# Altium PCB GameBoard_V1I1_Phase1.PcbDoc (part 17 of 18) (continued)
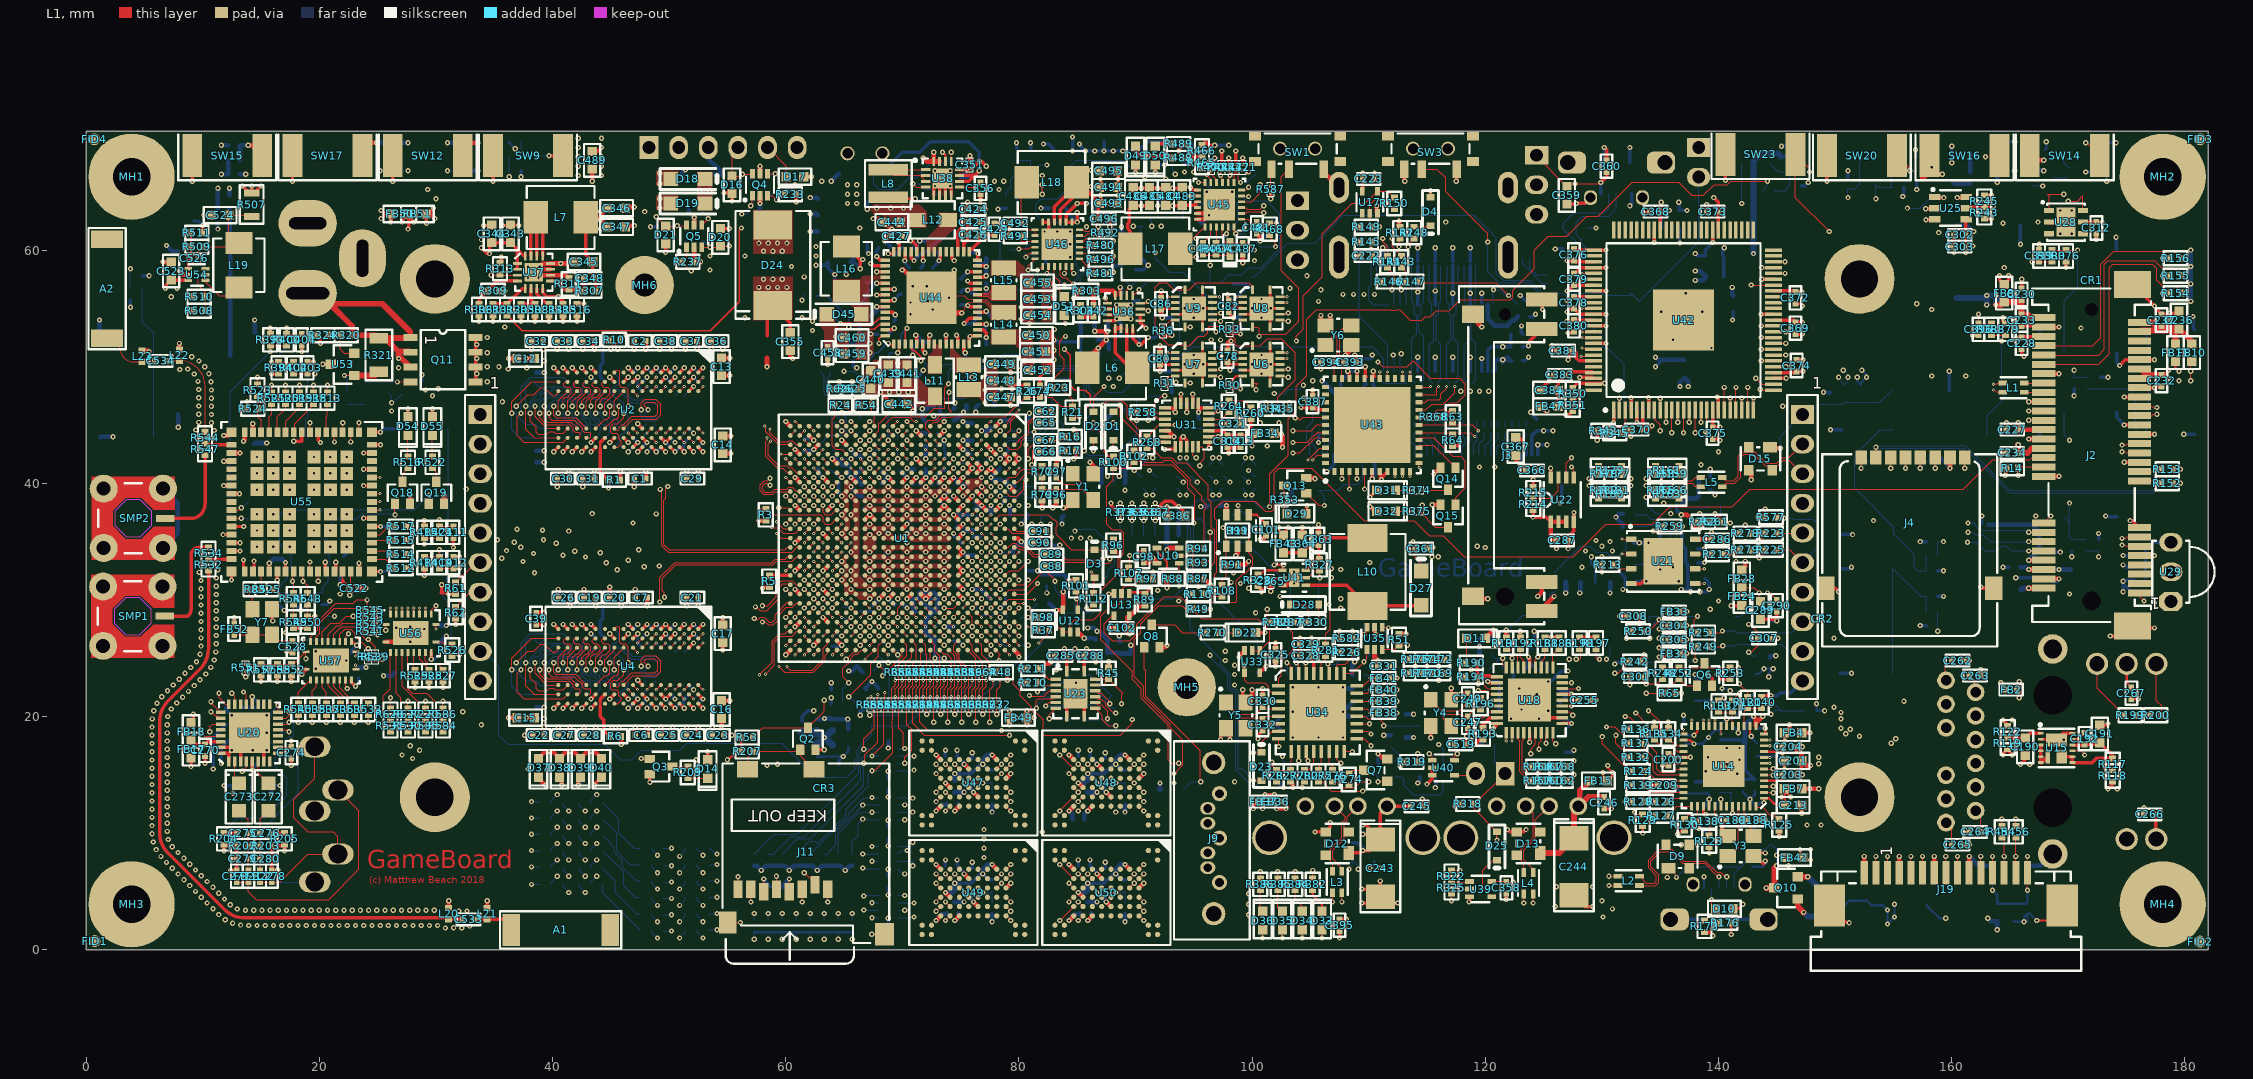
[diagram p0: L1 view]
## Nets (pads, with @x,y where several pads share a name; then routed paths per layer and width w, separated by ;. In a path a pad name is that pad's centre, name@x,y a point inside that pad or via, vN(x,y) a via of type N, cw(c..) or ccw(c..) an arc to the next point about the centre after c; other vN are vias at no path point) (continued)
UART5_RXD: R220.1 U1.U6 | length 81.5
  L1 w0.093: v3(66.4,41.3) U1.U6@66.8,40.9
  L1 w0.1: R220.1@29.1,20.7 v1(29.1,21.3)
  L3 w0.1: v1(29.1,21.3) 30,22.2 30,25.883 30.325,26.208 30.325,28.105 29.625,28.805 29.625,29.655 29.8,29.83 29.8,30.253 29.575,30.478 29.575,35.355 28.6,36.33 28.6,38.73 29.2,39.33 29.2,40.639 28.204,41.636 28.204,49.304 29.9,51 32.383,51 33.083,50.3 33.887,50.3 34.212,50.625 34.638,50.625 35.187,51.174 35.355,51.174 35.849,51.668 36.034,51.668 37.166,52.8 37.649,52.8 37.974,53.125 38.821,53.125 39.096,53.4 39.104,53.4 39.379,53.125 40.021,53.125 40.296,53.4 40.304,53.4 40.579,53.125 41.221,53.125 41.496,53.4 41.504,53.4 41.779,53.125 42.421,53.125 42.696,53.4 54.651,53.4 55.558,52.493 59.868,52.493 60.161,52.2 60.514,52.2 64.389,48.325 64.875,48.325 65.4,47.8 65.4,45.7 65.2,45.5 65.2,43.866 65.175,43.841 65.175,43.545 65.072,43.441 65.072,42.157 65.2,42.029 65.2,41.9 v4(66.1,41)
  L2 w0.1: v4(66.1,41) v3(66.4,41.3)
UART5_TXD: R586.1 U1.U7 | length 81.4
  L1 w0.093: v3(66.4,40.5) U1.U7@66.8,40.1
  L1 w0.1: R586.1@30.6,20.7 v1(30.6,21.3)
  L3 w0.1: v1(30.6,21.3) 31.279,21.979 31.279,24.945 31.239,24.985 31.239,25.615 31.279,25.655 31.279,25.821 30.525,26.575 30.525,27.955 30.818,28.248 30.818,29.518 29.775,30.561 29.775,35.569 29.4,35.944 29.4,38.47 29.775,38.845 29.775,39.155 29.4,39.53 29.4,40.722 28.404,41.719 28.404,48.107 31.097,50.8 32.3,50.8 33,50.1 33.97,50.1 34.245,50.375 34.671,50.375 35.27,50.974 35.438,50.974 35.932,51.468 36.117,51.468 37.249,52.6 37.731,52.6 38.056,52.925 38.904,52.925 39.1,53.121 39.296,52.925 40.104,52.925 40.3,53.121 40.496,52.925 41.304,52.925 41.5,53.121 41.696,52.925 42.504,52.925 42.779,53.2 54.569,53.2 55.476,52.293 59.785,52.293 60.088,51.989 60.442,51.989 64.306,48.125 64.775,48.125 65.2,47.7 65.2,45.97 64.955,45.725 64.625,45.725 64.425,45.525 64.425,43.325 64.4,43.3 64.8,42.9 64.8,42.017 65,41.817 65.05,41.767 65.6,41.217 65.6,41.03 66.1,40.53 v4(66.1,40.2)
  L2 w0.1: v4(66.1,40.2) v3(66.4,40.5)
USB0_CHD: TP1.1 U1.B8 | length 3.6
  L1 w0.1: U1.B8@78.8,39.3 79.2,38.9 79.8,38.9 80.4,39.5 80.4,40.1 v1(80.6,40.3)
  L12 w0.1: TP1.1@79.9,40.4 80.5,40.4 v1(80.6,40.3)
USB0_ID: D10.1 J5.4 R173.1 R176.2 U1.T4 U39.2 | length 141.1
  L1 w0.093: U1.T4@67.6,42.5 v3(68,42.1)
  L1 w0.1: v1(117.9,5.2) U39.2@118.65,5.2 ; v1(139.4,4.3) 139.4,3.1 R173.1@138.8,2.5 138.9,2.4 R176.2@139.9,2.4
  L3 w0.1: v4(68.3,42.4) 68.77,42.4 70.025,41.145 70.025,40.345 70.245,40.125 70.505,40.125 73.755,40.125 74.555,40.125 74.8,40.37 74.8,40.7 75,40.9 75.4,40.9 75.6,41.1 75.6,41.5 75.975,41.875 75.975,43.221 75.975,44.144 76.092,44.261 76.092,44.492 77.048,45.448 77.015,45.482 77.015,45.718 77.182,45.885 77.418,45.885 77.452,45.852 78.145,46.545 78.925,46.545 79.145,46.325 79.455,46.325 79.813,46.683 84.083,46.683 84.9,47.5 91.466,47.5 91.841,47.875 93.242,47.875 93.317,47.8 93.52,47.8 93.745,48.025 95.055,48.025 95.555,47.525 99.238,47.525 99.313,47.6 101.47,47.6 101.745,47.325 102.055,47.325 102.33,47.6 104.1,47.6 v1(104.4,47.3)
  L10 w0.1: v1(104.4,47.3) 103.8,47.3 103.7,47.4 103.17,47.4 102.4,46.63 102.4,46 102.9,45.5 102.9,43.583 103.1,43.383 103.1,39.908 102.9,39.708 102.9,39.442 103.8,38.542 103.8,37.834 104.809,36.825 105.855,36.825 106.075,36.605 106.075,36.322 109.1,33.297 109.1,28.817 108.7,28.417 108.7,27.73 108.975,27.455 108.975,27.145 108.7,26.87 108.7,25.13 108.425,24.855 108.425,24.545 108.645,24.325 108.845,24.325 108.9,24.27 108.9,17.23 108.975,17.155 108.975,16.845 108.505,16.375 107.445,16.375 107.225,16.155 107.225,16.125 107.2,16.1 106.9,16.1 105.5,14.7 105.6,14.6 105.6,14.3 104.7,13.4 103.8,13.4 103.589,13.189 103.589,11.488 104.696,10.381 104.696,9.604 105.7,8.6 105.7,4.3 106.9,3.1 112.9,3.1 115.2,5.4 117.7,5.4 v1(117.9,5.2) 119.6,5.2 120.6,4.2 120.6,3.917 122.517,2 131.783,2 132.308,2.525 132.475,2.525 132.5,2.5 132.8,2.5 134.8,4.5 139.2,4.5 v1(139.4,4.3)
  L2 w0.1: v3(68,42.1) v4(68.3,42.4)
  L12 w0.1: v1(139.4,4.3) J5.4@139.4,5.275
USB0_ID_BUFF: D25.1 U39.4 | length 4.1
  L1 w0.1: U39.4@120.55,4.55 119.8,5.3 119.8,6.8 120.681,7.681 D25.1@121,7.681
USB0_ID_BUFF_EN: R19.2 R325.2 U1.H21 | length 67.1
  L1 w0.093: v2(73.6,28.5) U1.H21@74,28.9 ; v1(117.1,4.2) R325.2@117.1,4.8
  L3 w0.093: v2(73.6,28.5) 73.829,28.272 73.837,28.272 74.171,27.937 74.171,27.929 74.3,27.8 74.3,27.4 74.8,26.9 74.8,25.975 75.046,25.729 75.472,25.729 75.628,25.572 75.628,25.072 76.919,23.781 76.919,23.518 77.083,23.353 77.82,23.353 79.002,22.171 81.528,22.171 v1(81.6,22.1)
  L10 w0.093: v1(81.6,22.1) 81.6,21.6 81.929,21.272 81.929,11.972 84.5,9.4 87,9.4 88.3,8.1 88.3,7.4 88.8,6.9 88.8,4.3 90.2,2.9 94.122,2.9 95.619,1.403 113.504,1.403 116,3.9 116.8,3.9 v1(117.1,4.2)
  L12 w0.093: R19.2@72.8,27.7 v2(73.6,28.5)
USB0_ID_BUFF_EN_R: R322.1 R325.1 U39.1 | length 1.6
  L1 w0.1: R322.1@117.1,5.8 118.6,5.8 U39.1@118.65,5.85
USB0_N: R160.2 R162.2 U1.B6 | length 73.4
  L1 w0.1: U1.B6@78.8,40.9 v3(79.2,41.3) ; v1(125.5,15.1) 126,14.6 R160.2@126,14.5
  L3 w0.1: v4(79.5,41) 79.825,40.675 80.755,40.675 80.872,40.559 80.941,40.559 81.7,39.8 84.2,39.8 85.8,38.2 86.717,38.2 87.317,37.6 88.43,37.6 89.075,36.955 89.075,36.542 89.417,36.2 94.425,36.2 94.6,36.025 95.325,36.025 95.5,36.2 96.97,36.2 97.345,36.575 103.125,36.575 103.725,35.975 103.725,35.962 104.062,35.625 104.538,35.625 104.638,35.725 111.691,35.725 113.066,37.1 116.534,37.1 118.834,34.8 119.1,34.8 v1(119.3,34.6) ; v1(125.5,15.1) v1@125.5,15.3
  L10 w0.1: v1(119.3,34.6) 119.3,33.417 119.817,32.9 121.5,32.9 123.6,30.8 123.6,26.6 123.059,26.059 123.059,24.841 122.1,23.883 122.041,23.824 122.041,22.959 122.1,22.9 122.1,20.7 122.7,20.1 122.7,16.117 123.117,15.7 124.3,15.7 124.9,16.3 125.6,16.3 125.9,16 125.9,15.5 v1(125.5,15.1)
  L2 w0.1: v3(79.2,41.3) v4(79.5,41)
USB0_OTG_L_N: D9.4 J5.2 L2.2 | length 12.9
  L1 w0.1: L2.2@133.225,6.3 133.825,5.7 134.5,5.7 134.659,5.859 134.659,6.359 134,7.017 134,7.683 134.917,8.6 136,8.6 137,7.6 138.883,7.6 139.858,6.625 140.205,6.625 140.58,6.25 v1(140.7,6.25)
  L12 w0.1: J5.2@140.7,5.275 v1(140.7,6.25)
USB0_OTG_L_P: D9.2 J5.3 L2.1 | length 11.9
  L1 w0.1: L2.1@133.225,5.5 134.583,5.5 134.859,5.776 134.859,6.441 134.2,7.1 134.2,7.6 135,8.4 135.917,8.4 136.917,7.4 138.8,7.4 139.95,6.25 v1(140.05,6.25)
  L12 w0.1: J5.3@140.05,5.275 v1(140.05,6.25)
USB0_OTG_N: L2.3 R162.1 | length 13.7
  L1 w0.1: R162.1@127,14.5 127.1,14.5 v1(127.6,15) ; v1(130.6,6.3) L2.3@131.375,6.3
  L10 w0.1: v1(127.6,15) 127.4,15 127.2,15.2 127.2,14.5 126.8,14.1 126.8,8.8 129.6,6 130.3,6 v1(130.6,6.3)
USB0_OTG_P: L2.4 R168.1 | length 14.8
  L1 w0.1: R168.1@127,15.7 127.1,15.7 v1(127.6,16.2) ; v1(130.6,5.5) L2.4@131.375,5.5
  L10 w0.1: v1(127.6,16.2) 127,15.6 127,14.583 126.6,14.183 126.6,8.717 129.517,5.8 130.3,5.8 v1(130.6,5.5)
USB0_P: R167.2 R168.2 U1.A6 | length 73
  L1 w0.1: U1.A6@79.6,40.9 v3(80,41.3) ; R167.2@126,15.7 126,15.6 v1(126.5,15.1)
  L3 w0.1: v4(80.3,41) 80.425,40.875 80.838,40.875 80.955,40.759 81.024,40.759 81.783,40 84.283,40 85.883,38.4 86.8,38.4 87.4,37.8 88.513,37.8 89.275,37.038 89.275,36.625 89.5,36.4 94.67,36.4 94.845,36.225 95.155,36.225 95.33,36.4 96.887,36.4 97.262,36.775 103.208,36.775 103.925,36.058 103.925,36.045 104.145,35.825 104.455,35.825 104.555,35.925 111.608,35.925 112.983,37.3 116.617,37.3 118.917,35 119.43,35 119.93,34.5 v1(120,34.5)
  L10 w0.1: v1(120,34.5) 119.8,34.3 119.8,33.2 119.9,33.1 121.583,33.1 123.8,30.883 123.8,26.517 123.259,25.976 123.259,24.759 122.241,23.741 122.241,23.041 122.3,22.983 122.3,22.817 122.3,20.783 122.9,20.183 122.9,16.2 123.2,15.9 124.217,15.9 124.817,16.5 125.683,16.5 126.1,16.083 126.1,15.5 v1(126.5,15.1)
  L2 w0.1: v3(80,41.3) v4(80.3,41)
USB1_HUB_N: R171.1 U18.30 | length 10.1
  L1 w0.1: v3(113,24) 113.2,24 R171.1@113.5,23.7 ; v1(119.4,22.8) 119.8,22.8 120.2,22.4 U18.30@121,22.4
  L3 w0.1: v4(113.3,24.3) 113.1,24.1 113.1,24 113.3,23.8 116.583,23.8 117.683,22.7 119.3,22.7 v1(119.4,22.8)
  L2 w0.1: v3(113,24) v4(113.3,24.3)
USB1_HUB_P: R175.1 U18.31 | length 10.5
  L1 w0.1: v3(113,24.6) 113.2,24.6 R175.1@113.5,24.9 ; v1(119.4,22.2) 119.6,22.2 119.659,22.259 120.059,22.259 120.417,21.9 U18.31@121,21.9
  L3 w0.1: v4(112.7,24.3) 112.9,24.1 112.9,23.917 113.217,23.6 116.5,23.6 117.825,22.275 119.325,22.275 v1(119.4,22.2)
  L2 w0.1: v4(112.7,24.3) v3(113,24.6)
USB1_N: R170.2 R171.2 U1.F10 | length 54.9
  L1 w0.1: v3(75.2,37.3) U1.F10@75.6,37.7 ; v1(114,24.3) 114.5,23.8 R170.2@114.5,23.7
  L3 w0.1: v4(75.5,37) v4@75.55,37 ; 75.6,37.1 75.625,37.125 75.675,37.125 75.8,37 75.8,36.417 76.292,35.925 77.059,35.925 78.027,36.893 80.71,36.893 80.917,37.1 84.9,37.1 85.5,36.5 86.566,36.5 87.066,36 87.317,36 87.459,35.859 87.459,35.559 88.317,34.7 93.417,34.7 94.017,34.1 98.37,34.1 98.445,34.175 98.855,34.175 98.93,34.1 112.787,34.1 113.162,33.725 113.638,33.725 113.813,33.9 115.225,33.9 v1(115.425,33.7)
  L10 w0.1: v1(114,24.3) 114.4,24.7 114.4,26.383 115.6,27.583 115.6,33.525 v1(115.425,33.7)
  L2 w0.1: v3(75.2,37.3) v4(75.5,37)
USB1_P: R174.2 R175.2 U1.E10 | length 55.7
  L1 w0.1: v3(76,37.3) U1.E10@76.4,37.7 ; R174.2@114.5,24.9 114.5,24.8 v1(115,24.3)
  L3 w0.1: v4(76.3,37.6) 76.3,37.2 76.185,37.085 76.182,37.085 76.015,36.918 76.015,36.485 76.375,36.125 76.977,36.125 77.945,37.093 80.627,37.093 80.834,37.3 84.204,37.3 84.279,37.375 84.825,37.375 84.9,37.3 84.983,37.3 85.583,36.7 86.649,36.7 87.149,36.2 87.4,36.2 87.659,35.941 87.659,35.641 88.4,34.9 93.5,34.9 94.1,34.3 98.287,34.3 98.362,34.375 98.938,34.375 99.013,34.3 112.87,34.3 113.245,33.925 113.555,33.925 113.73,34.1 115.308,34.1 115.333,34.075 115.58,34.075 115.955,33.7 v1(115.975,33.7)
  L10 w0.1: v1(115,24.3) 114.6,24.7 114.6,26.3 115.8,27.5 115.8,33.525 v1(115.975,33.7)
  L2 w0.1: v3(76,37.3) v4(76.3,37.6)
USB_BOT_L_N: D12.2 J6.2 L3.1 | length 6.8
  L1 w0.1: L3.1@107.7,6.725 107.7,7 106.9,7.8 106.9,8.517 107.9,9.517 D12.2@107.9,10.47 ; 107.9,10.5 107.9,10.847 108.17,11.117 108.17,11.41 J6.2@109.07,12.31
USB_BOT_L_P: D12.4 J6.3 L3.2 | length 6.6
  L1 w0.1: L3.2@106.9,6.725 106.9,7.4 106.7,7.6 106.7,8.6 107.7,9.6 107.7,10.7 107.7,10.93 107.97,11.2 107.97,11.41 J6.3@107.07,12.31
USB_BOT_N: L3.4 R169.1 R170.1 | length 28.1
  L1 w0.1: v1(107.7,4.1) L3.4@107.7,4.875 ; R169.1@115.5,23.7 115.5,23.6 v1(116,23.1)
  L10 w0.1: v1(107.7,4.1) 107.7,4.383 107.3,4.783 107.3,8.183 106,9.483 106,13.7 107,14.7 107.983,14.7 109.083,15.8 110.883,15.8 115.2,20.117 115.2,23.3 115.5,23.6 v1(116,23.1)
USB_BOT_P: L3.3 R172.1 R174.1 | length 28.5
  L1 w0.1: v1(106.9,4.1) L3.3@106.9,4.875 ; R172.1@115.5,24.9 115.5,24.8 v1(116,24.3)
  L10 w0.1: v1(106.9,4.1) 107.3,4.5 107.1,4.7 107.1,8.1 105.8,9.4 105.8,13.783 106.317,14.3 106.917,14.9 107.9,14.9 109,16 110.8,16 115,20.2 115,23.383 115.917,24.3 v1(116,24.3)
USB_CONNECT_OR_USER_LED_2: R284.1 R285.1 U34.15 | length 2
  L1 w0.093: U34.15@107.25,17 107.25,16.35 v1(107.6,16)
  L12 w0.093: R284.1@107.6,15.1 v1(107.6,16)
USB_CONNECTn: Q7.1 R272.1 R284.2 | length 3.8
  L1 w0.1: v1(110.8,14.4) 110.75,14.45 Q7.1@111.6,14.45
  L12 w0.1: R284.2@108.6,15.1 110.5,15.1 R272.1@110.7,14.9 ; v1(110.8,14.4) 110.8,14.8 R272.1@110.7,14.9 ; R272.1@110.8,15 R272.1@110.7,14.9
USB_H1_OC: R590.1 U1.R7 | length 1.2
  L1 w0.1: v2(68,40.5) U1.R7@68.4,40.1
  L12 w0.093: R590.1@67.735,41 67.735,40.765 v2(68,40.5)
USB_HDR_L_N: D15.2 J12.2 L5.2 | length 10.1
  L1 w0.1: L5.2@140.325,40.5 140.625,40.2 141.3,40.2 141.7,40.6 141.7,42.3 142.1,42.7 143.1,42.7 144.1,41.7 145,41.7 145.47,42.17 146.03,42.17 J12.2@147.2,43.34
USB_HDR_L_P: D15.4 J12.3 L5.1 | length 10.1
  L1 w0.1: L5.1@140.325,39.7 140.625,40 141.383,40 141.9,40.517 141.9,42.217 142.183,42.5 143.017,42.5 144.017,41.5 145.1,41.5 145.57,41.97 146.03,41.97 J12.3@147.2,40.8
USB_HDR_N: L5.3 R159.2 R161.2 | length 2.5
  L1 w0.1: R161.2@136.6,41.1 R159.2@136.6,40.8 137.2,40.2 137.75,40.2 138.05,40.5 L5.3@138.475,40.5
USB_HDR_P: L5.4 R163.1 R166.2 | length 2.2
  L1 w0.1: R166.2@136.6,39.4 137.2,40 137.75,40 138.05,39.7 L5.4@138.475,39.7
USB_LCDCTP_N: R158.2 R159.1 U43.42 | length 39.2
  L1 w0.1: v3(104.8,42) 104.8,42.003 105.797,43 106.25,43 U43.42@106.3,43.05 ; v3(135.2,40.1) 135.2,40.4 R158.2@135.6,40.8
  L3 w0.1: v4(104.8,42.5) 104.8,42.503 105.082,42.785 105.285,42.785 105.5,43 106.117,43 107.817,44.7 117.583,44.7 117.983,44.3 118.017,44.3 118.017,44.266 119.383,42.9 121.683,42.9 122.341,42.241 126.141,42.241 126.6,42.7 127.087,42.7 127.162,42.775 127.638,42.775 128.013,42.4 128.483,42.4 129.5,41.383 129.5,40.1 130.2,39.4 134.2,39.4 134.617,39.817 135.034,39.817 135.5,40.283 v4(135.5,40.4)
  L2 w0.1: v3(104.8,42) v4(104.8,42.5) ; v3(135.2,40.1) v4(135.5,40.4)
USB_LCDCTP_P: R165.2 R166.1 U43.43 | length 38.1
  L1 w0.1: v3(105.2,42) 105.6,42.4 U43.43@106.3,42.4 ; R165.2@135.6,39.4 136,39.8 v3(136,40.1)
  L3 w0.1: v4(105.2,42.5) 105.283,42.5 105.583,42.8 106.2,42.8 107.9,44.5 117.5,44.5 118.441,43.559 119,43 119.3,42.7 121.6,42.7 122.259,42.041 126.224,42.041 126.683,42.5 127.17,42.5 127.245,42.575 127.555,42.575 127.93,42.2 128.4,42.2 129.3,41.3 129.3,40.017 130.117,39.2 134.283,39.2 134.7,39.617 135.117,39.617 135.4,39.9 135.6,39.9 v4(135.7,39.8)
  L2 w0.1: v3(105.2,42) v4(105.2,42.5) ; v4(135.7,39.8) v3(136,40.1)
USB_MCU_N: R178.2 R179.2 R275.2 | length 47.1
  L1 w0.1: R275.2@105.7,14.4 106.05,14.4 106.85,13.6 109.1,13.6 v1(109.5,13.6) ; v1(128.9,40.4) 129.6,41.1 R179.2@129.7,41.1
  L10 w0.1: v1(109.5,13.6) 109.5,14.117 109.1,14.517 109.1,14.883 109.417,15.2 114.7,15.2 117.5,18 117.5,19.183 118.3,19.983 118.3,22.698 119.3,23.698 119.3,24.683 118.983,25 118.817,25 118.5,25.317 118.5,34.613 119.062,35.175 119.092,35.175 119.517,35.6 124.3,35.6 126.9,38.2 126.9,38.33 128.9,40.33 v1(128.9,40.4)
USB_MCU_P: R180.1 R182.2 R274.2 R276.2 | length 45.4
  L1 w0.1: R276.2@106.9,14.4 107.25,14.4 107.75,13.9 108.8,13.9 109.3,14.4 v1(110,14.4) ; v1(128.9,39.8) 129.6,39.1 R180.1@129.7,39.1
  L10 w0.1: v1(110,14.4) 109.5,14.4 109.3,14.6 109.3,14.8 109.5,15 114.783,15 117.7,17.917 117.7,19.1 118.5,19.9 118.5,22.615 119.5,23.615 119.5,24.766 119.066,25.2 118.9,25.2 118.7,25.4 118.7,34.53 119.145,34.975 119.175,34.975 119.6,35.4 124.383,35.4 128.783,39.8 v1(128.9,39.8)
USB_MCU_R_N: R275.1 U34.13 | length 1.7
  L1 w0.1: R275.1@105.7,15.4 105.7,15.7 105.95,15.95 U34.13@105.95,17
USB_MCU_R_P: R276.1 U34.14 | length 1.7
  L1 w0.1: U34.14@106.6,17 106.6,16 106.9,15.7 R276.1@106.9,15.4
USB_MPCIE_L_N: J2.36 L1.1 | length 1.7
  L1 w0.1: L1.1@166.225,47.8 J2.36@167.9,47.8
USB_MPCIE_L_P: J2.38 L1.2 | length 1.7
  L1 w0.1: L1.2@166.225,48.6 J2.38@167.9,48.6
USB_MPCIE_N: L1.4 R177.2 R178.1 | length 41.1
  L1 w0.1: v3(130.3,40.1) 130.3,40.4 R177.2@130.7,40.8 ; v3(163.6,48) 163.7,48 163.9,47.8 L1.4@164.375,47.8
  L3 w0.1: v4(130.6,39.8) 130.603,39.8 131.085,40.282 131.085,40.285 131.2,40.4 132.125,40.4 132.125,40.555 132.345,40.775 132.655,40.775 132.875,40.555 132.875,40.4 133.425,40.4 133.425,40.555 133.645,40.775 133.955,40.775 134.175,40.555 134.175,40.4 135.215,40.4 135.215,40.518 135.382,40.685 135.618,40.685 135.785,40.518 139.017,40.518 139.535,40 141.7,40 143.6,41.9 148.983,41.9 152.083,45 160.483,45 163,47.517 163.641,48.159 163.841,48.159 v4(164,48)
  L2 w0.1: v3(130.3,40.1) v4(130.6,39.8) ; v3(163.6,48) v4(164,48)
USB_MPCIE_OC: R188.2 U18.21 | length 1.7
  L1 w0.1: U18.21@124.8,24.2 124.8,24.7 125.1,25 R188.2@125.1,25.8
USB_MPCIE_P: L1.3 R181.2 R182.1 | length 40.3
  L1 w0.1: R181.2@130.7,39.4 131.1,39.8 v3(131.1,40.1) ; v3(163.6,48.5) 163.8,48.5 163.9,48.6 L1.3@164.375,48.6
  L3 w0.1: v4(130.8,40.4) 131,40.6 131.925,40.6 131.925,40.638 132.262,40.975 132.738,40.975 133.075,40.638 133.075,40.6 133.225,40.6 133.225,40.638 133.562,40.975 134.038,40.975 134.375,40.638 134.375,40.6 135.015,40.6 135.299,40.885 135.701,40.885 135.868,40.718 139.1,40.718 139.618,40.2 141.617,40.2 143.517,42.1 148.817,42.1 151.417,44.7 151.5,44.7 152,45.2 160.4,45.2 163.7,48.5 v4(164,48.5)
  L2 w0.1: v4(130.8,40.4) v3(131.1,40.1) ; v3(163.6,48.5) v4(164,48.5)
USB_OC: R625.1 R626.1 U1.T6 | length 10.1
  L1 w0.093: U1.T6@67.6,40.9 v3(68,41.3)
  L1 w0.1: R625.1@65.2,48.1 65.2,48.2 v1(65.7,48.7)
  L3 w0.1: v1(65.7,48.7) 65.7,48.687 66.1,48.287 66.1,48.117 66.6,47.617 66.6,46.55 66.7,46.45 66.7,46.117 66.775,46.042 66.775,41.825 66.925,41.675 67.625,41.675 v4(67.7,41.6)
  L2 w0.1: v4(67.7,41.6) v3(68,41.3)
USB_OTG_EN: D25.2 JP2.1 Q9.1 Q10.1 R318.1 R326.2 | length 49.7
  L1 w0.1: v1(121,9.4) D25.2@121,10.119 119,12.119 R318.1@119,12.5 119.1,12.5 JP2.1@121.7,15.1
  L1 w0.5: Q10.1@146.8,4.35 146.8,3.7 v1(147.3,3.2)
  L10 w0.1: v1(121,9.4) 121,3.8 122.6,2.2 130.7,2.2 135.8,7.3 143.2,7.3 v1(147.3,3.2)
  L12 w0.1: R326.2@120.8,17.6 120.8,16 JP2.1@121.7,15.1
  L12 w0.5: v1(147.3,3.2) 147.65,2.85 Q9.1@148.51,2.85
USB_TOP_L_N: D13.2 J7.2 L4.3 | length 6.9
  L1 w0.1: L4.3@124.1,6.625 124.1,6.9 123.3,7.7 123.3,8.517 124.3,9.517 124.3,11.14 J7.2@125.47,12.31
USB_TOP_L_P: D13.4 J7.3 L4.4 | length 6.4
  L1 w0.1: L4.4@123.3,6.625 123.3,7.4 123.1,7.6 123.1,8.6 124.1,9.6 124.1,11.68 J7.3@123.47,12.31
USB_TOP_N: L4.2 R157.1 R160.1 | length 15.2
  L1 w0.1: v1(124.1,4) L4.2@124.1,4.775 ; v1(124.5,13.9) 125,14.4 R157.1@125,14.5
  L10 w0.1: v1(124.1,4) 123.641,4.459 123.641,4.859 124.3,5.517 124.3,8.083 122.5,9.883 122.5,13.6 123.4,14.5 124.2,14.5 124.5,14.2 v1(124.5,13.9)
USB_TOP_P: L4.1 R164.1 R167.1 | length 15.2
  L1 w0.1: v1(123.3,4) L4.1@123.3,4.775 ; v1(124.5,15.1) 125,15.6 R164.1@125,15.7
  L10 w0.1: v1(123.3,4) 123.3,4.8 124.1,5.6 124.1,8 122.3,9.8 122.3,13.683 123.317,14.7 124.2,14.7 124.5,15 v1(124.5,15.1)
USBCh_OTG_L_N: D26.4 J18.2 L9.1 | length 11.4
  L12 w0.1: L9.1@127.125,57.9 127.8,57.9 128,58.1 128,60.5 126.7,61.8 D26.4@126.7,62.1 126.7,62.3 127.6,63.2 130.2,63.2 130.6,63.6 J18.2@130.6,64.825
USBCh_OTG_L_P: D26.2 J18.3 L9.2 | length 12.1
  L12 w0.1: L9.2@127.125,57.1 128.1,57.1 128.3,57.3 128.3,59.7 D26.2@128.7,60.1 128.217,60.583 128.217,60.883 127.8,61.3 127.8,62.4 128.3,62.9 130.6,62.9 131.25,63.55 J18.3@131.25,64.825
USBCh_OTG_N: L9.4 U45.3 | length 30.2
  L1 w0.1: U45.3@99.1,63.65 99.45,63.65 99.6,63.5 100.7,63.5 v1(101,63.8)
  L10 w0.1: v1(101,63.8) 101.7,63.1 110.7,63.1 111.9,61.9 122.783,61.9 123.5,61.183 v5(123.5,59.6)
  L11 w0.1: v5(123.5,59.6) v6(123.8,59.3)
  L12 w0.1: v6(123.8,59.3) 123.8,58.5 124.4,57.9 L9.4@125.275,57.9
USBCh_OTG_P: L9.3 U45.2 | length 31.1
  L1 w0.1: U45.2@99.1,63.15 99.45,63.15 99.6,63.3 100.9,63.3 v1(101,63.2)
  L10 w0.1: v1(101,63.2) 101.3,62.9 110.617,62.9 111.817,61.7 122.7,61.7 123.3,61.1 123.3,59.803 123.215,59.718 123.215,59.482 123.5,59.197 v5(123.5,59)
  L11 w0.1: v6(123.2,59.3) v5(123.5,59)
  L12 w0.1: v6(123.2,59.3) 123.2,58.817 124.867,57.15 125.225,57.15 L9.3@125.275,57.1
USBDN1_N: R169.2 U18.1 | length 12.3
  L1 w0.1: R169.2@116.5,23.7 v3(116.9,24.1) ; v3(121.8,17.9) U18.1@121.8,18.6
  L3 w0.1: v4(117.4,24.1) 117.6,24.1 118.4,23.3 119.97,23.3 120.045,23.375 120.525,23.375 121.4,22.5 121.4,18.017 121.8,17.617 v4(121.8,17.4)
  L2 w0.1: v3(116.9,24.1) v4(117.4,24.1) ; v4(121.8,17.4) v3(121.8,17.9)
USBDN1_OC: R197.1 U18.13 U19.2 | length 8.2
  L1 w0.1: U18.13@126.6,20.9 v1(127.4,20.9) ; R197.1@129.5,25.8 129.5,25 129.7,24.8 v1(129.8,24.9)
  L10 w0.1: v1(127.4,20.9) 128.5,22 128.5,23.6 v1(129.8,24.9)
  L12 w0.1: U19.2@129.435,25.9 129.435,25.265 v1(129.8,24.9)
USBDN1_P: R172.2 U18.2 | length 12.8
  L1 w0.1: R172.2@116.5,24.9 v3(116.9,24.5) ; v3(122.3,17.9) U18.2@122.3,18.6
  L3 w0.1: v4(117.4,24.5) 117.483,24.5 118.483,23.5 119.887,23.5 119.962,23.575 120.608,23.575 120.683,23.5 121.6,22.583 121.6,18.1 v4(122.3,17.4)
  L2 w0.1: v3(116.9,24.5) v4(117.4,24.5) ; v4(122.3,17.4) v3(122.3,17.9)
USBDN1_PWR_EN: U18.12 U19.1 | length 8.2
  L1 w0.1: U18.12@126.6,20.4 127.2,20.4 v1(127.5,20.1)
  L10 w0.1: v1(127.5,20.1) 129,21.6 129,22.6 129.6,23.2 129.6,23.9 130.4,24.7 v1(130.4,24.9)
  L12 w0.1: v1(130.4,24.9) 130.705,25.205 U19.1@130.705,25.9
USBDN2_N: R157.2 U18.3 | length 4.8
  L1 w0.1: U18.3@122.8,18.6 122.8,18.05 122.95,17.9 122.95,15.267 123.667,14.55 123.95,14.55 R157.2@124,14.5
USBDN2_OC: R198.1 U18.17 U19.3 | length 5.7
  L1 w0.1: U18.17@126.6,22.9 v1(127.4,22.9) ; v1(127.8,24.9) 128.1,24.9 128.2,25 R198.1@128.2,25.8
  L10 w0.1: v1(127.4,22.9) 127.475,22.975 127.475,24.055 127.4,24.13 127.4,24.3 128,24.9 v1(127.8,24.9)
  L12 w0.1: v1(127.8,24.9) 128.165,25.265 U19.3@128.165,25.9
USBDN2_P: R164.2 U18.4 | length 4.4
  L1 w0.1: U18.4@123.3,18.6 123.3,18.05 123.15,17.9 123.15,15.35 123.3,15.2 123.5,15.2 R164.2@124,15.7
USBDN2_PWR_EN: U18.16 U19.4 | length 6.5
  L1 w0.1: U18.16@126.6,22.4 v1(128,22.4)
  L10 w0.1: v1(127.2,24.9) 127,24.9 126.9,25 126.725,24.825 126.725,22.875 127.2,22.4 v1(128,22.4)
  L12 w0.1: U19.4@126.895,25.9 126.895,25.205 v1(127.2,24.9)
USBDN3_N: R177.1 R179.1 U18.6 | length 32
  L1 w0.1: v1(123.9,16.8) 123.9,17.2 124.3,17.6 U18.6@124.3,18.6 ; R179.1@131.7,41.1 131.8,41.1 v1(132.5,40.4)
  L10 w0.1: v1(123.9,16.8) 123.9,17.03 124.4,17.53 124.4,18.9 123.759,19.541 123.759,23.159 124.6,24 124.6,24.725 124.655,24.725 124.875,24.945 124.875,25.255 124.816,25.314 124.816,34.716 124.875,34.775 126.341,36.241 ; 126.341,36.3 127.4,36.3 131.3,40.2 132,40.2 132.3,40.2 v1(132.5,40.4)
USBDN3_OC: R186.2 U18.19 | length 1.8
  L1 w0.1: U18.19@125.8,24.2 125.8,25.3 R186.2@126.3,25.8
USBDN3_P: R180.2 R181.1 U18.7 | length 30.5
  L1 w0.1: v1(124.6,17.2) 124.6,17.7 124.8,17.9 U18.7@124.8,18.6 ; R180.2@131.7,39.1 131.8,39.1 v1(132.5,39.8)
  L10 w0.1: v1(124.6,17.2) 124.6,19 123.959,19.641 123.959,23.076 124.8,23.917 124.8,24.587 125.075,24.862 125.075,25.338 125.016,25.397 125.016,34.634 126.483,36.1 127.483,36.1 131.383,40 132.3,40 v1(132.5,39.8)
USBDN4_N: R158.1 R161.1 U18.8 | length 29.5
  L1 w0.1: v1(125.2,17.7) 125.2,18.5 U18.8@125.3,18.6 ; v1(133.8,40.4) 134.5,41.1 R161.1@134.6,41.1
  L10 w0.1: v1(125.2,17.7) 125.2,18.4 125.838,19.038 125.838,19.12 125.917,19.2 125.9,19.217 125.9,25.283 126.6,25.983 126.6,27.883 127.4,28.683 127.4,33.867 127.242,34.025 127.255,34.025 127.475,34.245 127.475,34.258 127.6,34.383 128.8,35.583 128.8,35.9 131.1,38.2 131.1,39.1 132.617,39.1 133,39.483 133,39.883 133.517,40.4 v1(133.8,40.4)
USBDN4_P: R163.2 R165.1 U18.9 | length 29
  L1 w0.1: U18.9@125.8,18.6 125.8,17.93 125.875,17.855 125.875,17.825 v1(126.038,17.662) ; v1(133.8,39.8) 134.5,39.1 R163.2@134.6,39.1
  L10 w0.1: v1(126.038,17.662) 126.038,19.037 126.2,19.2 126.1,19.3 126.1,25.2 126.8,25.9 126.8,27.8 127.3,28.3 127.6,28.6 127.6,33.95 127.532,34.018 127.675,34.162 127.675,34.175 129,35.5 129,35.817 131.3,38.117 131.3,38.9 132.7,38.9 133.2,39.4 133.2,39.8 133.4,40 133.6,40 v1(133.8,39.8)
USER_BTN_1: D43.2 R418.1 U1.E13 | length 107.6
  L1 w0.1: U1.E13@76.4,35.3 v2(76.8,34.9)
  L3 w0.1: v2(101.3,43.2) 101.8,42.7 103.07,42.7 103.345,42.975 103.675,42.975 104.6,43.9 106.447,43.9 107.164,44.617 107.447,44.9 119.7,44.9 120.95,43.65 122.1,43.65 122.825,42.925 123.655,42.925 123.73,43 124.27,43 124.345,42.925 125.455,42.925 125.675,43.145 125.675,43.175 125.875,43.375 127.887,43.375 128.262,43 132.005,43 132.705,43.7 134.317,43.7 134.817,43.2 142.7,43.2 145.5,46 v2(145.5,46.6)
  L10 w0.1: v2(76.8,34.9) 76.8,34.983 77.721,35.903 80.407,35.903 80.628,36.125 83,36.125 83.2,36.325 83.2,36.53 83.57,36.9 84.7,36.9 87.632,39.832 88.454,39.832 88.719,40.096 89.426,40.096 89.719,39.803 91.73,39.803 92.034,39.5 92.851,39.5 92.919,39.568 93.454,39.568 93.647,39.375 96.181,39.375 96.381,39.575 97.525,39.575 98.625,38.475 98.955,38.475 98.998,38.432 100.166,38.432 100.21,38.432 101.632,39.854 101.632,42.868 v2(101.3,43.2) ; v2(145.5,46.6) 145.5,46.7 146.203,47.403 146.481,47.403 146.878,47.8 147,47.8 148.6,49.4 148.6,53.5 148.2,53.9 148.2,61.6 v1(151.1,64.5)
  L12 w0.1: v1(151.1,64.5) R418.1@151.1,65.2 151.181,65.281 151.681,65.281 152.1,65.7 152.1,67.6 152.419,67.919 D43.2@153.5,67.919
USER_BTN_1_R: R416.1 R417.1 R420.2 SW20.2 | length 4.9
  L1 w0.1: SW20.2@155.3,68.1 156.4,67 v1(156.4,66.8)
  L12 w0.1: R420.2@154.8,68 R416.1@155.9,68 155.9,67.3 v1(156.4,66.8) R417.1@157,66.8
USER_BTN_2: C400.1 R397.1 U1.F13 | length 132
  L1 w0.1: v3(75.2,34.9) U1.F13@75.6,35.3
  L3 w0.1: v1(36.3,66.3) 36.3,66 36.675,65.625 38.892,65.625 39.086,65.431 42.096,65.431 42.527,65 45.6,65 46.031,65.431 48.181,65.431 48.868,66.118 49.582,66.118 50.2,65.5 51.438,65.5 52.113,66.175 55.087,66.175 55.362,65.9 56.914,65.9 57.239,65.575 60.295,65.575 60.645,65.225 60.99,65.225 61.365,65.6 62.8,65.6 v1(63.1,65.9) ; v4(75.5,35.2) 75.5,34.7 75.7,34.5 78.53,34.5 78.775,34.255 78.775,34.247 79.122,33.9 85,33.9 86.1,35 v1(86.1,35.3)
  L10 w0.1: v1(63.1,65.9) 63.1,61.6 62.368,60.868 62.365,60.868 62.032,60.535 62.032,60.532 61.245,59.745 60.075,59.745 59.7,59.37 59.7,58.4 61.9,56.2 61.9,54.313 61.725,54.138 61.725,53.1 62.1,52.725 62.455,52.725 62.555,52.825 63.31,52.825 63.435,52.7 63.8,52.7 64.1,53 64.8,53 65.2,52.6 66.024,52.6 66.985,53.561 67.137,53.561 67.446,53.869 68.107,53.869 69.439,52.537 70.782,52.537 70.995,52.325 71.305,52.325 71.377,52.396 71.83,52.396 72.711,51.515 72.711,51.467 72.874,51.304 74.546,51.304 74.825,51.025 74.825,50.962 75.797,49.989 77.089,49.989 77.378,49.7 77.9,49.7 78.2,49.4 78.87,49.4 79.145,49.125 80.338,49.125 81.138,49.925 81.538,49.925 81.603,49.989 90.661,49.989 92.576,48.075 92.9,48.075 92.9,48 93.625,47.275 95.055,47.275 95.166,47.386 97.63,47.386 97.916,47.1 100.783,47.1 101.525,47.842 101.525,47.855 101.745,48.075 102.055,48.075 102.275,47.855 102.275,47.545 101.768,47.038 101.768,46.665 101.7,46.597 101.7,44.851 101.525,44.676 101.525,43.505 101.832,43.198 101.832,39.771 100.293,38.232 100.249,38.232 99.317,37.3 88.4,37.3 86.4,35.3 v1(86.1,35.3)
  L2 w0.1: v3(75.2,34.9) v4(75.5,35.2)
  L12 w0.1: v1(36.3,66.3) C400.1@36.3,66.8 R397.1@36.3,68
USER_BTN_2_R: R396.1 R397.2 SW9.2 | length 4.9
  L1 w0.3: v1(39.7,68.1) SW9.2@40.9,68.1
  L12 w0.1: R396.1@37.3,69.3 R397.2@37.3,68 37.4,68.1 v1(39.7,68.1)
USER_BTN_3: C401.1 R401.1 U1.N21 | length 104.8
  L1 w0.093: U1.N21@70,28.9 v2(70.4,28.5)
  L3 w0.093: v1(32.3,20.4) 32.3,20.3 31.365,21.235 31.365,21.514 31.668,21.818 31.668,25.106 31.629,25.146 31.629,25.454 31.668,25.494 31.668,27.083 32.02,27.435 32.02,27.565 32.072,27.616 32.072,28.654 32,28.725 32.371,29.097 32.371,32.854 31.897,33.329 31.846,33.329 31.628,33.546 31.628,33.846 31.129,34.346 31.129,34.654 31.5,35.025 31.5,47.126 32.277,47.904 34.604,47.904 35.6,48.9 35.4,49.1 v1(35.4,50)
  L10 w0.093: v1(31,66.8) 31,63 33.2,60.8 33.2,60.261 34.1,59.361 34.1,54.175 34.746,53.528 34.863,53.528 35.4,52.991 v1(35.4,50) ; v1(32.3,20.4) 32.3,19.9 33.1,19.1 33.671,19.671 34.054,19.671 34.272,19.454 34.272,18.128 35.143,17.257 36.3,17.257 37.354,16.204 43.571,16.204 44.475,15.3 50.775,15.3 52.146,16.672 52.628,16.672 52.9,16.4 54.2,16.4 54.972,17.171 56.357,17.171 56.886,17.7 58.927,17.7 62.12,20.893 62.793,20.893 62.857,20.957 64.455,20.957 65.029,21.53 65.029,21.854 65.246,22.072 65.653,22.072 66.365,22.783 66.365,22.792 67.19,23.617 67.19,24.59 68.007,25.407 68.909,25.407 69.422,25.92 69.422,26.196 69.8,26.575 69.8,27.9 v2(70.4,28.5)
  L12 w0.1: v1(31,66.8) C401.1@31.8,66.8 R401.1@31.8,67.9